# Allegro board SG2042_EVB_V2_0.brd (continued)
## Routing (per net, layer and track width the routed paths; a pad name or vN(x,y) marks a point on that pad's centre or on a via; arc(x,y) is an arc through that point) (continued)
N16965774: length 288.4
  TOP w0.102: U1.B37 124.75,248.05 124.75,254.85 160.55,290.65 165.65,290.65 168.53,293.54 180.91,293.54 183.8,290.65 189.64,290.65 194.8,285.5 200.18,285.5 205.33,280.35 205.33,276.52 209.39,272.47 v1(210.36,272.47) ; R221.2 v1(223.77,115.49)
  ART03 w0.102: v1(223.77,115.49) 223.6,115.49 220.6,118.49 220.6,129.18 205.33,144.45 205.33,234.63 205.99,235.29 205.99,243.38 205.33,244.04 205.33,248.76 206.4,249.83 206.4,255.88 210.79,260.27 210.79,272.03 v1(210.36,272.47)
N16965784: length 293.2
  TOP w0.102: R223.2 v1(222.91,115.49) ; U1.J33 v1(121.75,241.05)
  ART03 w0.102: v1(210.36,270.05) 207.44,267.13 207.44,263.19 206.45,262.2 206.45,258.95 205.54,258.04 205.54,249.72 205.13,249.31 205.13,144.37 220.4,129.1 220.4,118.01 v1(222.91,115.49)
  BOTTOM w0.102: v1(121.75,241.05) 122.37,241.67 122.37,250.27 161,288.9 161.67,288.9 165.9,293.13 180.78,293.13 183.64,290.27 184.69,290.27 186.06,288.9 187.98,288.9 191.67,285.22 200.4,285.22 205.54,280.08 205.54,275.75 210.36,270.92 v1(210.36,270.05)
N16965794: length 289.7
  TOP w0.102: U1.H34 v1(122.75,242.05) ; R224.2 v1(222.05,115.49)
  ART03 w0.102: v1(222.05,115.49) 220.19,117.35 220.19,129.02 204.93,144.28 204.93,249.39 205.33,249.8 205.33,258.12 206.25,259.04 206.25,262.29 207.24,263.28 207.24,267.74 v1(209.96,270.46)
  BOTTOM w0.102: v1(209.96,270.46) 208.82,270.46 204.52,274.76 204.52,279.65 199.97,284.2 191.24,284.2 187.56,287.88 185.64,287.88 184.26,289.26 183.22,289.26 180.36,292.11 166.32,292.11 162.09,287.88 161.7,287.88 124.13,250.32 124.13,242.73 123.95,242.55 123.25,242.55 v1(122.75,242.05)
N16965796: length 284.8
  TOP w0.102: v1(210.36,271.91) 209.66,271.91 205.13,276.44 205.13,280.26 200.1,285.29 194.71,285.29 189.55,290.45 183.71,290.45 180.83,293.33 168.62,293.33 165.73,290.45 160.63,290.45 125.25,255.07 U1.A37 ; R230.2 v1(221.18,115.49)
  ART03 w0.102: v1(221.18,115.49) 219.99,116.69 219.99,128.93 204.72,144.2 204.72,249.48 205.13,249.89 205.13,258.21 206.04,259.12 206.04,262.37 207.04,263.36 207.04,268.14 210.36,271.47 v1(210.36,271.91)
N16965854: length 286.3
  TOP w0.102: R233.2 v1(220.32,115.49) ; U1.A36 124.25,254.64 160.46,290.86 165.57,290.86 168.45,293.74 181,293.74 183.88,290.86 189.72,290.86 194.88,285.7 200.27,285.7 205.54,280.43 205.54,277.85 v1(210.36,273.02)
  ART03 w0.102: v1(220.32,115.49) 219.79,116.03 219.79,128.85 204.52,144.11 204.52,249.81 204.19,250.14 204.19,260.53 203.63,261.09 203.63,265.02 209.98,271.37 209.98,272.64 v1(210.36,273.02)
N16965864: length 282
  TOP w0.102: U1.A38 126.25,255.2 160.89,289.84 165.99,289.84 168.87,292.72 180.58,292.72 183.46,289.84 189.3,289.84 194.46,284.68 199.85,284.68 204.52,280.01 204.52,275.31 208.33,271.5 v1(208.91,271.5) ; R236.2 v1(219.46,115.49)
  ART03 w0.102: v1(208.91,271.5) 203.43,266.01 203.43,261 203.99,260.44 203.99,250.05 204.32,249.72 204.32,144.03 219.58,128.76 219.58,115.62 v1(219.46,115.49)
N16965874: length 292.9
  TOP w0.102: U1.H33 v1(121.75,242.05) ; R238.2 v1(218.59,115.49)
  ART03 w0.102: v1(218.59,115.49) 219.38,116.28 219.38,128.68 204.11,143.94 204.11,249.64 203.78,249.97 203.78,260.36 203.23,260.92 203.23,266.45 209.42,272.64 v1(209.42,273.02)
  BOTTOM w0.102: v1(209.42,273.02) 208.55,273.02 205.74,275.83 205.74,280.16 200.48,285.42 191.75,285.42 188.07,289.1 186.14,289.1 184.77,290.47 183.73,290.47 180.87,293.33 165.82,293.33 161.59,289.1 160.92,289.1 122.13,250.32 122.13,242.43 v1(121.75,242.05)
N16965876: length 288.2
  TOP w0.102: U1.G35 v1(123.75,243.05) ; R240.2 v1(217.73,115.49)
  ART03 w0.102: v1(217.73,115.49) 219.18,116.94 219.18,128.59 203.91,143.86 203.91,249.56 203.02,250.44 203.02,266.83 v1(208.31,272.11)
  BOTTOM w0.102: v1(123.75,243.05) 123.37,243.43 123.37,246.33 123.75,246.71 123.75,250.27 161.57,288.09 162.01,288.09 166.24,292.32 180.45,292.32 183.3,289.46 184.35,289.46 185.72,288.09 187.65,288.09 191.33,284.4 200.06,284.4 204.72,279.74 204.72,274.84 207.46,272.11 v1(208.31,272.11)
N16965918: length 119.7
  TOP w0.102: R243.2 42.98,258.55 v1(41.25,260.27) ; U1.G20 v1(107.75,243.05)
  ART03 w0.102: v1(41.25,260.27) 41.63,260.65 41.63,275.79 41.22,276.19 41.22,284.89 44.54,288.21 70.12,288.21 107.37,250.96 107.37,243.43 v1(107.75,243.05)
N16965920: length 109
  TOP w0.102: R246.2 v1(42.11,258.55) ; U1.C17 v1(104.75,247.05)
  ART03 w0.102: v1(104.75,247.05) 104.75,250.91 68.87,286.79 46.57,286.79 43.03,283.25 43.03,279.32 42.04,278.33 42.04,277.16 42.85,276.35 42.85,259.28 v1(42.11,258.55)
N16965958: length 124.2
  TOP w0.102: R247.2 v1(41.25,258.55) ; U1.G21 v1(108.75,243.05)
  ART03 w0.102: v1(108.75,243.05) 108.37,243.43 108.37,250.96 67.76,291.57 53.4,291.57 51.39,289.56 45.31,289.56 40.82,285.06 40.82,276.7 40.82,276.02 41.22,275.62 41.22,261.9 39.93,260.6 39.93,259.87 v1(41.25,258.55)
N16965960: length 127.4
  TOP w0.102: R248.2 v1(40.39,258.55) ; U1.H22 v1(109.75,242.05)
  ART03 w0.102: v1(40.39,258.55) 39.73,259.21 39.73,261.93 40.82,263.03 40.82,274.35 39.62,275.54 39.62,284.44 45.15,289.97 51.22,289.97 53.23,291.97 68.36,291.97 109.37,250.96 109.37,242.43 v1(109.75,242.05)
N16966046: length 116.4
  TOP w0.102: v1(40.39,262) 36.93,258.55 R255.2 ; U1.D18 v1(105.75,246.05)
  ART03 w0.102: v1(40.39,262) 41.02,262.64 41.02,275.51 v1(40.41,276.12)
  BOTTOM w0.102: v1(105.75,246.05) 105.75,246.42 106.13,246.8 106.13,250.24 68.49,287.88 46.49,287.88 43.04,284.43 41.05,284.43 39.73,283.11 39.73,276.81 v1(40.41,276.12)
N16966110: length 116.6
  TOP w0.089: 104.92,248.82 104.85,248.75 104.85,247.95 U1.B17
  TOP w0.102: 104.92,248.82 104.92,254.81 71.28,288.44 52.4,288.44 50.52,290.32 46.12,290.32 40.03,284.23 40.03,273.96 v1(40.41,273.58) ; R249.2 v1(39.52,258.55)
  ART03 w0.102: v1(40.41,273.58) 40.61,273.38 40.61,263.11 39.52,262.02 v1(39.52,258.55)
N16966114: length 122.5
  TOP w0.102: U1.J19 v1(106.75,241.05) ; v1(41.25,259.41) 39.52,259.41 38.66,258.55 R252.2
  ART03 w0.102: v1(41.25,259.41) 41.83,259.99 41.83,275.87 41.43,276.28 41.43,284.81 44.63,288.01 70.03,288.01 107.13,250.91 107.13,241.43 v1(106.75,241.05)
N16966126: length 123.1
  TOP w0.102: v1(40.39,260.27) 39.52,260.27 37.8,258.55 R254.2 ; U1.H21 v1(108.75,242.05)
  ART03 w0.102: v1(40.39,260.27) 41.43,261.32 41.43,275.7 41.02,276.11 41.02,284.98 44.46,288.42 70.63,288.42 108.13,250.91 108.13,242.67 v1(108.75,242.05)
N16966457: length 125.1
  TOP w0.089: U1.B35 123.65,247.95 123.65,248.75 123.58,248.81
  TOP w0.102: 123.58,248.81 123.58,254.84 160.21,291.46 165.31,291.46 168.2,294.35 181.25,294.35 182.13,293.47 187.97,293.47 195.13,286.31 201.68,286.31 v1(204.34,283.64) ; R211.1 v1(201.35,269.88)
  ART14 w0.102: v1(204.34,283.64) 200.79,280.09 200.79,270.43 v1(201.35,269.88)
N16966458: length 125.5
  TOP w0.102: U1.F35 v1(123.75,244.05) ; R209.1 v1(201.35,264.8)
  ART14 w0.102: v1(123.75,244.05) 123.37,244.43 123.37,249.43 123.39,249.44 123.39,250.34 161.79,288.75 166.4,288.75 169.21,291.57 180.41,291.57 183.23,288.75 188.41,288.75 191.41,285.74 191.41,275.36 193.7,273.07 193.7,265.71 v1(193.29,265.3)
  BOTTOM w0.102: v1(201.35,264.8) 200.38,265.76 193.75,265.76 v1(193.29,265.3)
N16966459: length 116.5
  TOP w0.102: U1.D35 v1(123.75,246.05) ; R210.1 v1(201.35,267.33)
  ART14 w0.102: v1(123.75,246.05) 123.75,250.35 161.89,288.49 188.3,288.49 191.16,285.64 191.16,275.25 193.29,273.12 v1(193.29,268.61)
  BOTTOM w0.102: v1(193.29,268.61) 200.08,268.61 v1(201.35,267.33)
N16966460: length 122.5
  TOP w0.102: U1.E36 v1(124.75,245.05) ; R207.1 v1(201.35,262.25)
  ART14 w0.102: v1(192.48,262.76) 192.48,273.21 190.65,275.04 190.65,285.42 188.09,287.99 162.1,287.99 124.39,250.27 124.39,249.44 124.37,249.43 124.37,245.43 v1(124.75,245.05)
  BOTTOM w0.102: v1(192.48,262.76) 192.94,263.22 200.38,263.22 v1(201.35,262.25)
N16966486: length 122.2
  TOP w0.089: U1.C35 123.85,247.15 123.85,248.75 123.92,248.82
  TOP w0.102: 123.92,248.82 123.92,254.74 160.34,291.16 165.44,291.16 168.32,294.04 181.13,294.04 182,293.17 187.84,293.17 195.01,286 201.42,286 v1(204.34,283.08) ; R212.1 v1(201.35,272.42)
  ART14 w0.102: v1(201.35,272.42) 201.35,280.09 v1(204.34,283.08)
N16966538: length 135.5
  TOP w0.102: U1.F36 v1(124.75,244.05) ; R215.1 v1(201.35,249.56)
  ART14 w0.102: v1(191.16,250.37) 191.82,251.03 191.82,273.15 190.14,274.83 190.14,285.21 187.88,287.48 162.36,287.48 125.47,250.58 125.47,246.27 125.13,245.93 125.13,244.43 v1(124.75,244.05)
  BOTTOM w0.102: v1(201.35,249.56) 200.38,250.52 191.31,250.52 v1(191.16,250.37)
N16966548: length 138.2
  TOP w0.102: R217.1 v1(201.35,252.09) ; U1.G33 v1(121.75,243.05)
  ART14 w0.102: v1(121.75,243.05) 121.37,243.43 121.37,249.43 121.39,249.44 121.39,250.27 161.08,289.97 165.89,289.97 168.71,292.79 184.43,292.79 187.7,289.51 189.28,289.51 197.18,281.61 197.18,275.54 199.77,272.95 199.77,256.84 201.19,255.42 201.19,254.46 200.89,254.15 200.89,252.55 v1(201.35,252.09)
N16966558: length 131.8
  TOP w0.102: R219.1 v1(200.74,255.24) ; U1.F34 v1(122.75,244.05)
  ART14 w0.102: v1(200.74,255.24) 199.52,256.46 199.52,272.84 196.93,275.43 196.93,281.51 189.18,289.26 183.44,289.26 180.62,292.07 169,292.07 166.18,289.26 161.37,289.26 122.39,250.27 122.39,249.44 122.37,249.43 122.37,244.43 v1(122.75,244.05)
N16966568: length 134.6
  TOP w0.102: U1.H32 v1(120.75,242.05) ; R220.1 v1(201.35,257.18)
  ART14 w0.102: v1(120.75,242.05) 121.13,242.43 121.13,250.38 160.97,290.22 165.78,290.22 168.6,293.04 184.53,293.04 187.81,289.76 189.39,289.76 197.43,281.72 197.43,275.64 200.03,273.05 200.03,258.5 v1(201.35,257.18)
N16966578: length 135.5
  TOP w0.102: R222.1 v1(201.35,259.71) ; v1(204.34,284.2) 201.93,286.61 195.26,286.61 188.1,293.78 182.26,293.78 181.38,294.65 168.07,294.65 165.19,291.77 160.08,291.77 123.25,254.94 U1.A35
  ART14 w0.102: v1(201.35,259.71) 200.28,260.78 200.28,280.14 v1(204.34,284.2)
N16966638: length 151.8
  TOP w0.102: U1.J39 v1(127.75,241.05) ; R225.1 v1(201.98,233.81)
  ART14 w0.102: v1(201.98,233.81) 204.11,235.94 204.11,258.35 204.83,259.06 204.83,260.37 204.06,261.13 204.06,269.98 204.65,270.56 v1(204.65,271.14)
  BOTTOM w0.102: v1(204.65,271.14) 200.05,275.74 200.05,281.39 198.86,282.57 188.64,282.57 183.59,287.63 165.73,287.63 128.37,250.27 128.37,241.67 v1(127.75,241.05)
N16966648: length 147.7
  TOP w0.102: R231.1 v1(201.98,234.67) ; U1.H40 v1(128.75,242.05)
  ART14 w0.102: v1(204.06,270.56) 203.86,270.36 203.86,261.05 204.62,260.29 204.62,259.14 203.91,258.43 203.91,236.6 v1(201.98,234.67)
  BOTTOM w0.102: v1(204.06,270.56) 199.64,274.98 199.64,281.22 198.7,282.17 188.48,282.17 183.42,287.22 166.33,287.22 129.37,250.27 129.37,242.67 v1(128.75,242.05)
N16966658: length 157.3
  TOP w0.102: R232.1 v1(201.98,235.53) ; U1.J37 v1(125.75,241.05)
  ART14 w0.102: v1(201.98,235.53) 203.71,237.26 203.71,258.52 204.42,259.23 204.42,260.2 203.66,260.96 203.66,271.12 204.44,271.91 204.44,274.9 v1(204.06,275.29)
  BOTTOM w0.102: v1(204.06,275.29) 201.27,278.08 201.27,281.89 199.37,283.79 189.15,283.79 184.1,288.85 183.05,288.85 180.19,291.71 166.69,291.71 125.25,250.27 125.25,241.55 v1(125.75,241.05)
N16966668: length 148.2
  TOP w0.102: U1.H39 v1(127.75,242.05) ; R234.1 v1(201.98,236.4)
  ART14 w0.102: v1(201.98,236.4) 203.5,237.92 203.5,258.6 204.22,259.31 204.22,260.12 203.45,260.88 203.45,271.25 204.06,271.86 v1(204.06,272.31)
  BOTTOM w0.102: v1(127.75,242.05) 128.13,242.43 128.13,250.32 165.65,287.83 183.67,287.83 188.73,282.78 198.95,282.78 200.25,281.47 200.25,276.12 v1(204.06,272.31)
N16966678: length 143.2
  TOP w0.089: U1.C40 128.65,246.95 128.65,248.75 128.58,248.81
  TOP w0.102: v1(203.25,276.66) 200.76,279.15 200.76,280.08 198.29,282.55 193.57,282.55 188.42,287.71 161.77,287.71 128.58,254.52 128.58,248.81 ; R237.1 v1(201.98,237.26)
  ART14 w0.102: v1(201.98,237.26) 203.3,238.58 203.3,258.69 204.01,259.4 204.01,260.03 203.25,260.8 203.25,271.35 203.66,271.75 203.66,276.25 v1(203.25,276.66)
N16966738: length 142.1
  TOP w0.102: R239.1 v1(201.98,238.12) ; U1.F40 v1(128.75,244.05)
  ART14 w0.102: v1(203.25,271.96) 203.05,271.75 203.05,260.71 203.81,259.95 203.81,259.48 203.1,258.77 203.1,239.24 v1(201.98,238.12)
  BOTTOM w0.102: v1(203.25,271.96) 199.85,275.36 199.85,281.3 198.78,282.37 188.56,282.37 183.51,287.43 166.24,287.43 129.13,250.32 129.13,244.43 v1(128.75,244.05)
N16966748: length 145.1
  TOP w0.102: R241.1 v1(201.98,238.99) ; U1.F38 v1(126.75,244.05)
  ART14 w0.102: v1(201.98,238.99) 202.87,239.88 202.87,260.6 202.84,260.63 202.84,274.17 v1(203.25,274.57)
  BOTTOM w0.102: v1(126.75,244.05) 126.35,244.45 126.35,250.27 164.53,288.44 183.93,288.44 188.98,283.39 199.2,283.39 200.86,281.73 200.86,276.96 v1(203.25,274.57)
N16966758: length 153.5
  TOP w0.102: U1.J34 v1(122.75,241.05) ; R242.1 v1(201.98,239.85)
  ART14 w0.102: v1(203.25,277.22) 202.64,276.61 202.64,260.54 202.67,260.52 202.67,240.54 v1(201.98,239.85)
  BOTTOM w0.102: v1(203.25,277.22) 201.47,278.99 201.47,281.98 199.45,284 191.16,284 187.48,287.68 185.55,287.68 184.18,289.05 183.14,289.05 180.28,291.91 166.41,291.91 162.18,287.68 161.78,287.68 124.37,250.27 124.37,241.97 123.95,241.55 123.25,241.55 v1(122.75,241.05)
N16966768: length 156.3
  TOP w0.089: 128.92,248.82 128.85,248.75 128.85,246.15 U1.D40
  TOP w0.102: R244.1 v1(206.53,233.32) ; v1(212.42,270.03) 212.01,269.62 207.63,269.62 200.56,276.69 200.56,279.99 198.2,282.35 193.49,282.35 188.33,287.5 161.86,287.5 128.92,254.56 128.92,248.82
  ART14 w0.102: v1(212.42,270.03) 212.37,269.98 212.37,268.22 213.11,267.49 213.11,239.9 v1(206.53,233.32)
N17048510: length 11
  TOP w0.102: U3238.6 232.33,79.91 232.46,79.78 232.46,77.8 230.89,76.23 R12561.1
N17141953: length 2.5
  TOP w0.102: Y1.3 28.36,274.38 28.93,273.81 C573.1 R95.2
N17142066: length 2.3
  TOP w0.102: U7.27 32.55,268.16 32.58,268.13 32.93,268.13 33.31,268.51 34.02,268.51 R61.1
N17142082: length 2.2
  TOP w0.102: U7.26 32.95,267.76 33.03,267.68 34.05,267.68 R62.1
N17142098: length 2.3
  TOP w0.102: R63.1 33.68,267.36 U7.25
N17142114: length 2.5
  TOP w0.102: U7.24 33.21,266.96 R65.1
N17142142: length 2.9
  TOP w0.102: R66.1 33.6,265.71 33.6,266.04 33.08,266.56 U7.23
N17142158: length 3.3
  TOP w0.102: R67.1 33.25,265.2 33.25,265.89 32.97,266.16 U7.22
N17144487: length 26.5
  TOP w0.203: R87.1 v1(27.91,246.46)
  ART03 w0.203: J9.9 27.91,241.61 v1(27.91,246.46)
N17144493: length 18
  TOP w0.381: T1.7 v1(13.77,266.37) ; T1.1 v1(21.39,266.37) ; T1.4 v1(17.58,266.37) ; T1.10 v1(9.96,266.37)
  BOTTOM w0.381: v1(9.96,266.37) v1(13.77,266.37) v1(17.58,266.37) v1(21.39,266.37) C566.1
N17144497: length 2.1
  TOP w0.381: T1.24 v1(21.39,248.49)
  BOTTOM w0.381: R94.2 v1(21.39,248.49)
N17144524: length 32.4
  TOP w0.081: T1.23 20.12,248.83 arc(20.09,248.68) 20,248.54 19.67,248.21 arc(19.62,248.14) 19.6,248.05 19.6,248.03 arc(19.62,247.95) 19.67,247.87 v1(19.79,247.75)
  ART14 w0.089: v1(19.79,247.75) 19.69,247.65 arc(19.62,247.56) 19.6,247.45 19.6,246.28 arc(19.43,245.86) 19,245.68 18.57,245.68 arc(18.31,245.57) 18.2,245.31 18.2,245.31 arc(18.31,245.05) 18.56,244.95 19,244.95 arc(19.6,244.34) 19,243.74 18.57,243.74 arc(18.31,243.63) 18.2,243.37 18.2,243.37 arc(18.31,243.11) 18.56,243.01 19,243.01 arc(19.43,242.83) 19.6,242.4 19.6,240.48 arc(19.14,238.16) 17.83,236.2 12.32,230.69 arc(11.59,230.2) 10.72,230.03 J9.1
N17144531: length 32.4
  TOP w0.081: v1(19.18,247.75) 19.3,247.87 arc(19.35,247.95) 19.36,248.03 19.36,248.05 arc(19.35,248.14) 19.3,248.21 18.97,248.54 arc(18.88,248.68) 18.85,248.83 T1.22
  ART14 w0.089: v1(19.18,247.75) 19.28,247.65 arc(19.34,247.56) 19.36,247.45 19.36,246.28 arc(19.25,246.03) 19,245.92 18.57,245.92 arc(18.14,245.74) 17.96,245.31 17.96,245.31 arc(18.14,244.88) 18.56,244.71 19,244.71 arc(19.36,244.34) 19,243.98 18.57,243.98 arc(18.14,243.8) 17.96,243.37 17.96,243.37 arc(18.14,242.94) 18.56,242.77 19,242.77 arc(19.25,242.66) 19.36,242.4 19.36,240.48 arc(18.92,238.26) 17.66,236.37 13.85,232.56 arc(13.69,232.49) 13.52,232.56 13.38,232.7 arc(13.05,232.7) 13.05,232.38 13.2,232.24 arc(13.2,231.91) 12.87,231.91 12.73,232.05 arc(12.4,232.05) 12.4,231.72 12.54,231.58 arc(12.61,231.42) 12.54,231.25 12.15,230.86 arc(11.49,230.43) 10.72,230.27 9.18,230.27 arc(9.01,230.31) 8.87,230.4 J9.2
N17144533: length 23.8
  TOP w0.203: R88.1 v1(27.05,246.46)
  ART03 w0.203: v1(27.05,246.46) 27.05,243.04 J9.10
N17144549: length 2.1
  TOP w0.381: T1.21 v1(17.58,248.49)
  BOTTOM w0.381: R93.2 v1(17.58,248.49)
N17144571: length 29.2
  TOP w0.081: v1(15.98,247.75) 15.86,247.87 arc(15.81,247.95) 15.79,248.03 15.79,248.05 arc(15.81,248.14) 15.86,248.21 16.19,248.54 arc(16.28,248.68) 16.31,248.83 T1.20
  BOTTOM w0.081: J9.3 7.28,233.52 arc(7.72,233.95) 8.31,234.11 10.85,234.11 arc(11.34,234.21) 11.76,234.49 14.74,237.47 arc(15.52,238.63) 15.79,240.01 15.79,241.21 arc(15.63,241.6) 15.23,241.77 14.83,241.77 arc(14.5,242.09) 14.83,242.41 15.23,242.41 arc(15.79,242.97) 15.23,243.52 14.83,243.52 arc(14.5,243.85) 14.83,244.17 15.23,244.17 arc(15.79,244.72) 15.23,245.28 14.83,245.28 arc(14.5,245.6) 14.83,245.93 15.23,245.93 arc(15.63,246.09) 15.79,246.48 15.79,247.44 arc(15.81,247.55) 15.88,247.65 v1(15.98,247.75)
N17144573: length 34.1
  TOP w0.203: R89.1 v1(4.09,266.47)
  ART03 w0.203: v1(4.09,266.47) 2.26,264.64 2.26,250.66 12.04,240.89 12.04,239.17 J9.11
N17144582: length 29.2
  TOP w0.081: v1(15.37,247.75) 15.49,247.87 arc(15.54,247.95) 15.55,248.03 15.55,248.05 arc(15.54,248.14) 15.49,248.21 15.16,248.54 arc(15.07,248.68) 15.04,248.83 T1.19
  BOTTOM w0.081: J9.6 8.89,234.46 arc(9.02,234.37) 9.17,234.34 10.84,234.34 arc(11.25,234.42) 11.59,234.65 11.6,234.66 arc(11.73,234.97) 11.6,235.28 11.58,235.3 arc(11.58,235.59) 11.88,235.59 12.06,235.41 arc(12.35,235.41) 12.35,235.7 12.17,235.88 arc(12.17,236.17) 12.46,236.17 12.64,235.99 arc(12.93,235.99) 12.93,236.28 12.75,236.46 arc(12.75,236.75) 13.04,236.75 13.22,236.57 arc(13.36,236.51) 13.51,236.57 14.57,237.64 arc(15.3,238.72) 15.55,240.01 15.55,241.21 arc(15.46,241.44) 15.23,241.53 14.83,241.53 arc(14.27,242.09) 14.83,242.64 15.23,242.64 arc(15.55,242.97) 15.23,243.29 14.83,243.29 arc(14.27,243.85) 14.83,244.4 15.23,244.4 arc(15.55,244.72) 15.23,245.05 14.83,245.05 arc(14.27,245.6) 14.83,246.16 15.23,246.16 arc(15.46,246.25) 15.55,246.48 15.55,247.44 arc(15.53,247.55) 15.47,247.65 v1(15.37,247.75)
N17144590: length 2.1
  TOP w0.381: T1.18 v1(13.77,248.49)
  BOTTOM w0.381: R92.2 v1(13.77,248.49)
N17144594: length 31.9
  TOP w0.203: R90.1 v1(4.95,266.47)
  ART03 w0.203: v1(4.95,266.47) 2.67,264.19 2.67,250.83 J9.12
N17144609: length 23
  TOP w0.081: v1(12.17,247.75) 12.05,247.87 arc(12,247.95) 11.98,248.03 11.98,248.05 arc(12,248.14) 12.05,248.21 12.38,248.54 arc(12.47,248.68) 12.5,248.83 T1.17
  ART14 w0.089: v1(12.17,247.75) 12.07,247.65 arc(12,247.56) 11.98,247.45 11.98,247.25 arc(12.04,246.98) 12.19,246.75 13.41,245.53 arc(14.47,243.95) 14.84,242.09 14.84,238.68 arc(14.64,237.7) 14.08,236.86 13.5,236.28 arc(13.43,236.11) 13.5,235.95 13.5,235.94 arc(13.5,235.61) 13.18,235.61 13.17,235.62 arc(12.84,235.62) 12.84,235.3 12.85,235.29 arc(12.85,234.96) 12.52,234.96 12.51,234.97 arc(12.35,235.04) 12.19,234.97 11.55,234.33 arc(11.04,233.99) 10.43,233.87 9.18,233.87 arc(9.01,233.83) 8.87,233.74 J9.4
N17144619: length 23
  TOP w0.081: T1.16 11.23,248.83 arc(11.26,248.68) 11.35,248.54 11.68,248.21 arc(11.73,248.14) 11.74,248.05 11.74,248.03 arc(11.73,247.95) 11.68,247.87 v1(11.56,247.75)
  ART14 w0.089: J9.5 10.43,234.11 arc(10.95,234.21) 11.38,234.5 13.91,237.03 arc(14.42,237.79) 14.59,238.68 14.59,242.09 arc(14.24,243.86) 13.24,245.36 12.02,246.58 arc(11.81,246.89) 11.74,247.25 11.74,247.45 arc(11.72,247.56) 11.66,247.65 v1(11.56,247.75)
N17144625: length 2.1
  TOP w0.381: T1.15 v1(9.96,248.49)
  BOTTOM w0.381: R91.2 v1(9.96,248.49)
N17144632: length 18
  TOP w0.081: T1.14 8.69,248.83 arc(8.66,248.68) 8.57,248.54 8.24,248.21 arc(8.19,248.14) 8.17,248.05 8.17,248.03 arc(8.19,247.95) 8.24,247.87 v1(8.36,247.75)
  ART14 w0.089: v1(8.36,247.75) 8.26,247.65 arc(8.19,247.56) 8.17,247.45 8.17,247.25 arc(8.23,246.98) 8.38,246.75 9.11,246.02 arc(9.8,244.99) 10.04,243.78 10.04,236.88 arc(9.83,236.36) 9.31,236.15 J9.7
N17144641: length 18
  TOP w0.081: T1.13 7.42,248.83 arc(7.45,248.68) 7.54,248.54 7.87,248.21 arc(7.92,248.14) 7.93,248.05 7.93,248.03 arc(7.92,247.95) 7.87,247.87 v1(7.75,247.75)
  ART14 w0.089: v1(7.75,247.75) 7.85,247.65 arc(7.91,247.56) 7.93,247.45 7.93,247.25 arc(8,246.89) 8.21,246.58 8.94,245.85 arc(9.57,244.9) 9.8,243.78 9.8,239.63 arc(9.73,239.47) 9.57,239.4 9.37,239.4 arc(9.14,239.17) 9.37,238.94 9.57,238.94 arc(9.8,238.7) 9.57,238.47 9.37,238.47 arc(9.14,238.24) 9.37,238.01 9.57,238.01 arc(9.73,237.94) 9.8,237.78 9.8,236.88 arc(9.65,236.53) 9.31,236.39 9.18,236.39 arc(9.01,236.43) 8.87,236.52 J9.8
N17144716: length 13.4
  BOTTOM w0.381: R94.1 R93.1 R92.1 R91.1 C569.1
N17150120: length 52.5
  TOP w0.099: v1(30.33,157.48) 30.14,157.29 30.14,156.37 30.23,156.28 U3241.52 ; C5915.1 22.38,199.36 v1(22.5,199.24)
  ART14 w0.107: v1(30.33,157.48) 30.23,157.58 arc(30.16,157.68) 30.14,157.79 30.14,157.91 arc(30.17,158.02) 30.23,158.12 31.35,159.24 arc(32.25,160.58) 32.56,162.16 32.56,193.61 arc(32.26,195.12) 31.41,196.4 31.39,196.42 arc(30.11,197.28) 28.6,197.58 24.81,197.58 arc(24.69,197.6) 24.6,197.66 23.37,198.89 arc(23.19,199.01) 22.99,199.05 22.81,199.05 arc(22.7,199.07) 22.61,199.14 v1(22.5,199.24)
N17150149: length 52.4
  TOP w0.099: v1(22.5,198.63) 22.38,198.5 C5916.1 ; U3241.53 29.83,156.28 29.91,156.37 29.91,157.29 v1(29.72,157.48)
  ART14 w0.107: v1(22.5,198.63) 22.61,198.73 arc(22.7,198.79) 22.81,198.82 22.91,198.82 arc(23.1,198.78) 23.25,198.67 23.51,198.42 23.51,198.01 23.73,197.8 24.13,197.8 24.43,197.5 arc(24.6,197.38) 24.81,197.34 28.6,197.34 arc(30.02,197.06) 31.22,196.25 31.24,196.24 arc(32.05,195.03) 32.33,193.61 32.33,162.16 arc(32.03,160.67) 31.19,159.41 30.07,158.28 arc(29.95,158.11) 29.91,157.91 29.91,157.79 arc(29.89,157.68) 29.82,157.58 v1(29.72,157.48)
N17150193: length 73.8
  TOP w0.099: U3241.44 31.52,152.19 31.6,152.28 34.99,152.28 v1(35.18,152.09)
  ART03 w0.107: v1(29.31,217.14) 29.5,216.96 30.06,216.96 36.06,210.96 36.06,152.76 arc(36.02,152.58) 35.92,152.43 35.9,152.41 arc(35.75,152.31) 35.57,152.27 35.49,152.27 arc(35.38,152.25) 35.28,152.19 v1(35.18,152.09)
  BOTTOM w0.099: C5918.1 29.18,217.27 v1(29.31,217.14)
N17150633: length 1.1
  TOP w0.102: R324.1 228.28,233.85 LED1.C
N17204608: length 114
  TOP w0.102: U1.H17 v1(104.75,242.05) ; R151.1 v1(48.69,252.25)
  ART14 w0.102: v1(48.69,252.25) 49.07,252.63 49.07,258.98 48.31,259.74 48.31,261.21 50.14,263.04 50.14,284.94 50.95,285.75 69.93,285.75 105.37,250.32 105.37,242.67 v1(104.75,242.05)
N17204609: length 120.8
  TOP w0.102: U1.G23 v1(110.75,243.05) ; R145.1 v1(48.08,254.89)
  ART14 w0.102: v1(110.75,243.05) 110.37,243.43 110.37,250.32 72.9,287.78 48.46,287.78 46.15,285.48 46.15,256.82 v1(48.08,254.89)
N17204610: length 124.9
  TOP w0.102: R141.1 v1(48.08,250.82) ; U1.J21 v1(108.75,241.05)
  ART14 w0.102: v1(48.08,250.82) 48.08,253.26 48.64,253.82 48.64,255.35 47.7,256.29 47.7,261.47 48.69,262.46 48.69,264.69 48.31,265.07 48.31,266.09 48.81,266.59 48.81,270.26 47.9,271.17 47.9,272.29 49.12,273.51 49.12,274.66 47.17,276.61 47.17,285.06 48.88,286.77 71.63,286.77 108.13,250.27 108.13,241.67 v1(108.75,241.05)
N17204611: length 105.9
  TOP w0.102: U1.E19 v1(106.75,245.05) ; R148.1 v1(48.69,258.34)
  ART14 w0.102: v1(106.75,245.05) 106.25,245.55 106.25,250.27 70.56,285.95 50.87,285.95 49.94,285.02 49.94,263.13 48.11,261.3 48.11,258.93 v1(48.69,258.34)
N17204612: length 103.5
  TOP w0.102: R142.1 v1(48.69,260.38) ; U1.G17 v1(104.75,243.05)
  ART14 w0.102: v1(48.69,260.38) 50.34,262.03 50.34,284.85 51.04,285.55 69.85,285.55 105.13,250.27 105.13,243.43 v1(104.75,243.05)
N17204640: length 111.2
  TOP w0.102: R154.1 v1(48.08,256.92) ; U1.F20 v1(107.75,244.05)
  ART14 w0.102: v1(48.08,256.92) 47.9,257.1 47.9,261.38 49.22,262.7 49.22,270.43 48.31,271.33 48.31,272.12 49.53,273.34 49.53,276.07 48.97,276.63 48.97,284.63 50.7,286.36 71.33,286.36 106.98,250.7 106.98,246.79 107.37,246.4 107.37,244.43 v1(107.75,244.05)
N17204700: length 154.2
  TOP w0.102: R159.1 v1(230.96,265.61) ; U1.F32 v1(120.75,244.05)
  ART14 w0.102: v1(120.75,244.05) 120.13,244.67 120.13,250.32 163.52,293.7 185.24,293.7 185.8,293.14 188.49,293.14 190.04,291.59 v1(191.03,291.59)
  BOTTOM w0.102: v1(230.96,265.61) 227.23,269.34 227.23,279.54 217.08,289.69 192.94,289.69 v1(191.03,291.59)
N17204710: length 137
  TOP w0.102: U1.D33 v1(121.75,246.05) ; R160.1 v1(229.24,278.97)
  ART14 w0.102: v1(121.75,246.05) 122.13,246.43 122.13,250.37 161.27,289.51 166.08,289.51 168.9,292.33 183.64,292.33 v1(183.9,292.07)
  BOTTOM w0.102: v1(183.9,292.07) 185.37,293.55 190.77,293.55 193.61,290.7 217.5,290.7 v1(229.24,278.97)
N17204720: length 140.5
  TOP w0.102: U1.A33 v1(121.75,249.05) ; R162.1 v1(230.1,272.52)
  ART14 w0.102: v1(121.75,249.05) 121.75,250.28 161.18,289.71 165.99,289.71 168.81,292.53 184,292.53 v1(184.45,292.07)
  BOTTOM w0.102: v1(184.45,292.07) 185.72,293.34 188.34,293.34 189.2,292.48 190.97,292.48 193.36,290.09 217.25,290.09 227.63,279.71 227.63,274.98 v1(230.1,272.52)
